# Altium PCB UltraZohm_Analog_ADS5272.PcbDoc (part 4 of 4) (continued)
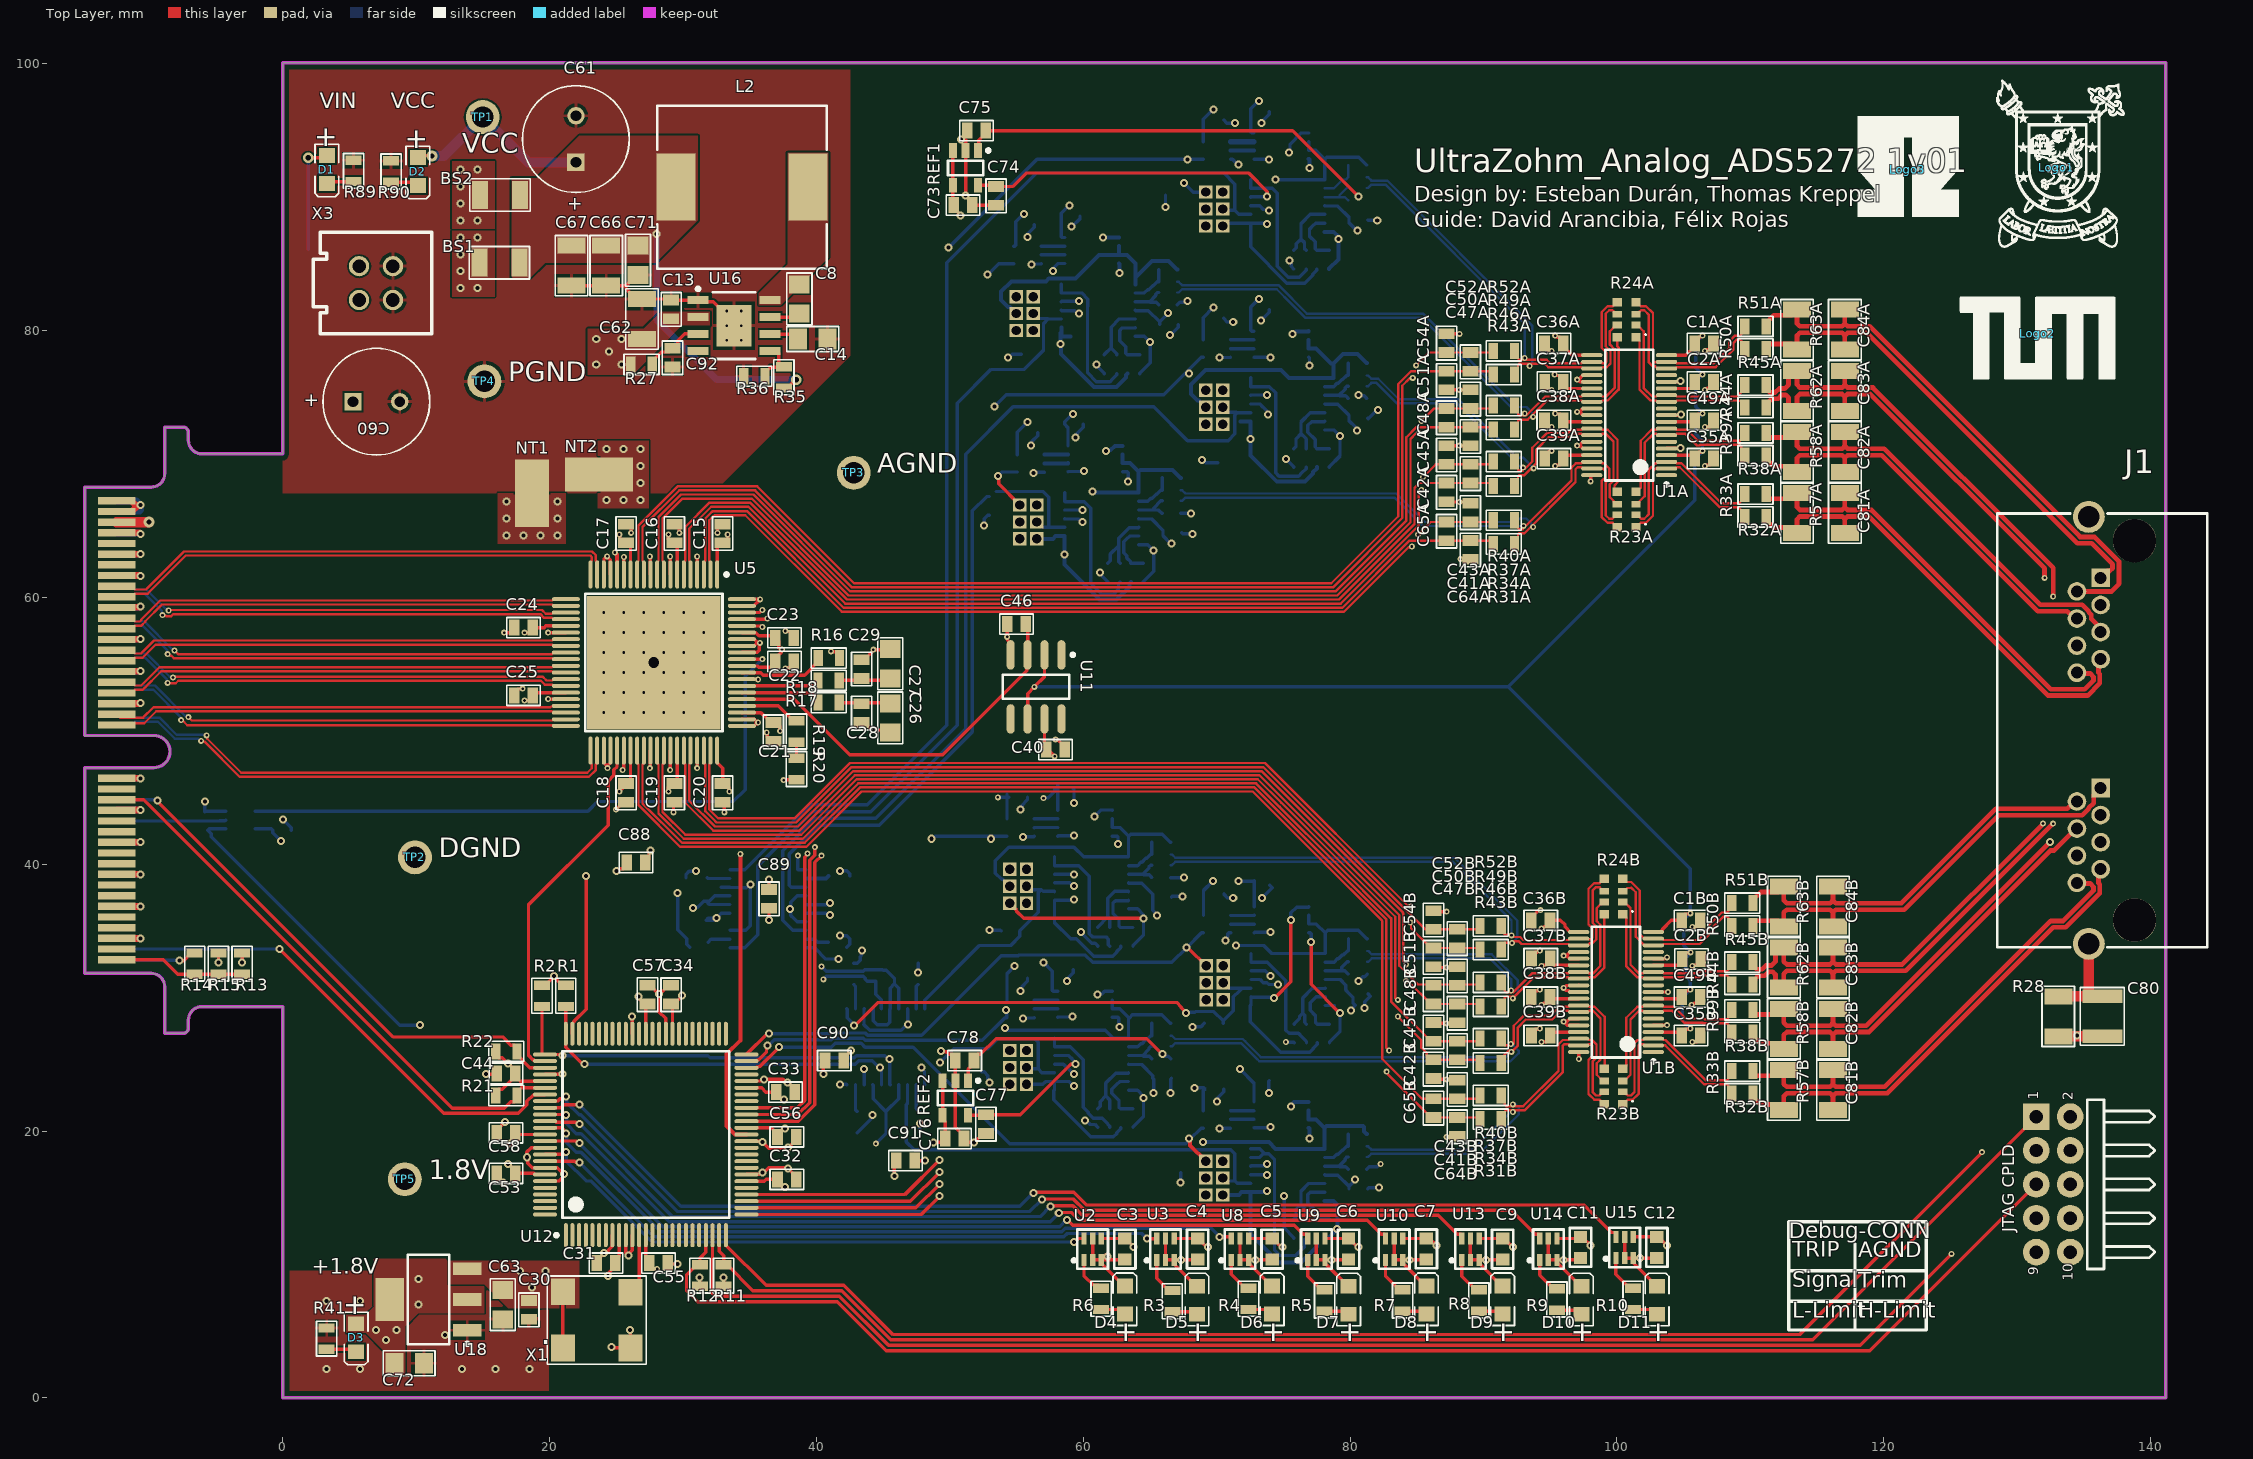
[diagram p0: Top Layer view]
## Nets (pads, with @x,y where several pads share a name; then routed paths per layer and width w, separated by ;. In a path a pad name is that pad's centre, name@x,y a point inside that pad or via, vN(x,y) a via of type N, cw(c..) or ccw(c..) an arc to the next point about the centre after c; other vN are vias at no path point) (continued)
TD_P1: R24A.5 R25A.3 R52A.2 U1A.21 | length 31.8
  Top Layer w0.178: R52A.2@92.329,78.486 92.59,78.225 92.59,77.917 92.694,77.813 94.736,77.813 94.985,77.564 97.344,77.564 97.442,77.662 U1A.21@98.125,77.662 98.808,77.662 98.906,77.564 99.121,77.564 99.225,77.669 99.225,78.348 98.869,78.704 98.869,81.399 99.302,81.832 99.705,81.832 100.015,82.142 R24A.5@100.045,82.142
  Bottom Layer w0.178: R25A.3@81.258,90.696 81.358,90.696 81.606,90.943 82.666,90.943 93.091,80.518 v2(93.091,77.949)
TD_P2: R24A.7 R25B.3 R46A.2 U1A.26 | length 44.1
  Top Layer w0.178: R46A.2@92.329,74.384 92.59,74.123 92.59,73.742 92.694,73.638 v2@93.091,73.638 ; v2@93.222,73.656 94.63,75.064 97.344,75.064 97.442,75.162 U1A.26@98.125,75.162 98.808,75.162 98.906,75.064 99.192,75.064 99.834,75.707 99.834,78.601 99.479,78.956 99.479,79.951 99.945,80.417 R24A.7@100.045,80.417
  Bottom Layer w0.178: R25B.3@67.059,82.857 67.159,82.857 67.407,83.105 74.502,83.105 75.565,82.042 75.766,81.841 76.632,80.975 85.357,80.975 92.642,73.69 92.687,73.735 93.039,73.735 v2(93.091,73.787)
TD_P3: R23A.5 R25C.3 R40A.2 U1A.31 | length 28.7
  Top Layer w0.178: R40A.2@92.329,70.173 92.59,69.912 92.59,69.58 92.694,69.475 92.946,69.475 ; v2@93.142,69.672 93.666,70.196 93.666,71.219 94.777,72.33 96.338,72.33 96.572,72.564 97.344,72.564 97.442,72.662 U1A.31@98.125,72.662 98.808,72.662 98.906,72.564 99.318,72.564 100.055,71.827 100.055,68.632 99.824,68.401 99.824,68.149 R23A.5@100.055,67.918
  Bottom Layer w0.178: R25C.3@81.258,75.837 81.358,75.837 81.606,76.084 81.99,76.084 83.525,74.549 88.011,74.549 92.837,69.723 v2(92.964,69.723)
TD_P4: R23A.7 R25D.3 R34A.2 U1A.36 | length 41.6
  Top Layer w0.178: R34A.2@92.329,65.786 92.59,65.525 92.59,65.217 92.694,65.113 92.946,65.113 ; v2@93.101,65.268 96.603,68.77 96.603,69.735 96.932,70.064 97.344,70.064 97.442,70.162 U1A.36@98.125,70.162 98.808,70.162 98.906,70.064 99.023,70.064 99.194,69.893 99.446,69.641 99.446,68.884 99.164,68.603 99.164,66.167 99.428,65.904 99.679,65.904 99.784,66.008 99.784,66.032 99.945,66.193 R23A.7@100.045,66.193
  Bottom Layer w0.178: R25D.3@67.313,67.236 67.413,67.236 67.661,67.484 83.342,67.484 85.472,65.354 92.995,65.354 v2(93.005,65.364)
TD_P5: R24B.5 R25E.3 R52B.2 U1B.21 | length 41
  Top Layer w0.178: R52B.2@91.341,35.242 91.341,34.992 91.602,34.731 v2@92.015,34.731 ; v2@92.202,34.544 92.762,34.544 92.986,34.32 96.357,34.32 96.454,34.418 U1B.21@97.137,34.418 97.161,34.394 97.897,34.394 97.902,34.39 98.049,34.39 98.153,34.494 98.153,35.209 97.971,35.392 97.881,35.481 97.881,38.155 98.314,38.588 98.717,38.588 99.027,38.898 R24B.5@99.057,38.898
  Bottom Layer w0.178: R25E.3@66.551,39.931 66.651,39.931 66.899,40.179 87.71,40.179 92.101,35.788 v2(92.101,34.668)
TD_P6: R24B.7 R25F.3 R46B.2 U1B.26 | length 26.3
  Top Layer w0.178: R46B.2@91.341,31.14 91.602,30.879 91.602,30.498 91.707,30.394 v2@92.075,30.394 ; v2@92.216,30.394 93.642,31.82 96.357,31.82 96.454,31.918 U1B.26@97.137,31.918 97.82,31.918 97.918,31.82 98.204,31.82 98.763,32.379 98.763,35.462 98.491,35.734 98.491,36.707 98.957,37.173 R24B.7@99.057,37.173
  Bottom Layer w0.178: R25F.3@81.283,32.692 81.383,32.692 81.631,32.94 90.504,32.94 92.075,31.369 v2(92.075,30.53)
TD_P7: R23B.5 R25G.3 R40B.2 U1B.31 | length 42
  Top Layer w0.178: R40B.2@91.341,26.929 91.341,26.679 91.602,26.418 v2@91.936,26.418 ; v2@92.278,26.543 92.278,27.889 93.053,28.664 95.034,28.664 95.691,29.32 96.357,29.32 96.454,29.418 U1B.31@97.137,29.418 97.82,29.418 97.918,29.32 98.33,29.32 99.085,28.565 R23B.5@99.085,24.674
  Bottom Layer w0.178: R25G.3@66.551,26.342 66.651,26.342 66.899,26.59 71.835,26.59 73.025,25.4 73.196,25.229 92.031,25.229 92.636,25.834 92.636,26.022 92.275,26.383 92.27,26.383 92.135,26.518 v2(92.061,26.518)
TD_P8: R23B.7 R25H.3 R34B.2 U1B.36 | length 29.7
  Top Layer w0.178: R34B.2@91.341,22.542 91.602,22.281 91.602,21.973 91.707,21.869 92.989,21.869 95.631,24.511 95.631,26.507 95.944,26.82 96.357,26.82 96.454,26.918 U1B.36@97.137,26.918 97.82,26.918 97.918,26.82 98.146,26.82 98.476,26.49 98.476,25.499 98.186,25.21 98.186,22.913 98.44,22.659 98.692,22.659 98.796,22.764 98.796,22.788 98.957,22.949 R23B.7@99.057,22.949
  Bottom Layer w0.178: R25H.3@81.258,18.052 81.358,18.052 81.606,18.299 89.697,18.299 92.648,21.251 92.648,21.779 92.386,22.041 92.238,22.041 v2(92.202,22.005)
TDI_CPLD: "JTAG CPLD.9" U12.23 | length 108.2
  Top Layer w0.254: U12.23@32.21,12.192 32.21,10.462 32.175,10.427 32.175,7.83 32.385,7.62 41.72,7.62 45.403,3.937 114.618,3.937 118.237,3.937 v6(125.095,10.795)
  AGND w0.254: v6(125.095,10.795) 131.318,10.795 131.445,10.922
TDO_CPLD: "JTAG CPLD.3" U12.25 | length 107.6
  Top Layer w0.254: U12.25@33.21,12.192 33.21,11.442 36.223,8.428 42.054,8.428 45.737,4.745 110.346,4.745 113.711,4.745 v6(127.381,18.415)
  AGND w0.254: v6(127.381,18.415) 131.318,18.415 131.445,18.542
  AGND w0.3: 131.347,22.635 131.445,22.733
TMS_CPLD: "JTAG CPLD.5" R12.2 U12.22 | length 113.1
  Top Layer w0.254: U12.22@31.71,12.192 31.71,10.909 31.274,10.473 R12.2@31.274,9.963 31.024,9.963 30.257,9.196 30.257,8.07 31.111,7.216 41.552,7.216 45.235,3.533 118.976,3.533 131.445,16.002
TRIMMER_CENTER1: C85A.1 DebugA.4 POT1.20 U4A.10 | length 84.4
  Bottom Layer w0.254: POT1.20@33.519,39.581 34.628,39.581 39.497,44.45 43.815,44.45 49.784,50.419 49.784,85.09 56.515,91.821 70.536,91.821 71.374,90.983 71.374,89.027 ; DebugA.4@70.46,89.119 70.552,89.027 71.374,89.027 ; U4A.10@72.555,88.713 72.532,88.736 71.665,88.736 71.374,89.027
TRIMMER_Center2: C85B.1 DebugB.4 POT1.11 U4B.10 | length 64
  Bottom Layer w0.254: POT1.11@33.519,33.731 34.62,33.731 35.606,34.717 35.606,39.868 39.68,43.942 44.069,43.942 50.546,50.419 50.546,74.549 53.086,77.089 55.585,77.089 57.023,78.527 57.023,80.518 57.379,80.874 ; DebugB.4@56.261,81.28 56.634,80.907 57.347,80.907 57.379,80.874 ; U4B.10@58.356,80.874 57.379,80.874
TRIMMER_CENTER3: C85C.1 DebugC.4 POT1.8 U4C.10 | length 72.2
  Bottom Layer w0.254: POT1.8@39.219,35.031 39.196,35.054 38.225,35.054 37.465,35.814 37.465,41.021 39.878,43.434 44.45,43.434 51.181,50.165 51.181,70.739 54.737,74.295 65.278,74.295 67.818,71.755 70.866,71.755 71.374,72.263 71.374,73.66 71.545,73.831 ; DebugC.4@70.46,74.26 70.833,73.887 71.489,73.887 71.545,73.831 ; U4C.10@72.555,73.854 72.532,73.831 71.545,73.831
TRIMMER_Center4: C85D.1 DebugD.4 POT1.3 U4D.10 | length 48.1
  Bottom Layer w0.254: POT1.3@39.219,38.281 38.122,38.281 37.973,38.43 37.973,40.767 40.132,42.926 44.704,42.926 51.689,49.911 51.689,66.494 52.759,67.564 C85D.1@52.959,67.564 ; C85D.1@53.467,67.945 56.962,67.945 57.404,67.503 57.404,65.253 ; DebugD.4@56.515,65.659 56.921,65.253 57.404,65.253 ; U4D.10@58.61,65.253 57.404,65.253
TRIMMER_CENTER5: C85E.1 DebugE.4 POT2.20 U4E.10 | length 16.2
  Bottom Layer w0.254: POT2.20@48.127,29.165 48.127,29.815 52.222,33.909 54.559,33.909 55.248,34.598 55.248,34.798 C85E.1@55.248,34.998 56.634,36.384 56.634,37.871 56.863,38.1 ; DebugE.4@55.753,38.354 56.007,38.1 56.863,38.1 ; U4E.10@57.848,37.948 57.825,37.971 56.991,37.971 56.863,38.1
TRIMMER_Center6: C85F.1 DebugF.4 POT2.11 U4F.10 | length 36.1
  Top Layer w0.254: v1(42.799,27.903) 42.889,27.903 44.623,29.637 67.01,29.637 67.363,29.284 67.363,29.251 67.691,28.923 v1(67.691,28.829)
  Bottom Layer w0.254: POT2.11@42.277,29.165 42.3,29.142 42.3,28.492 42.523,28.269 42.523,28.259 42.799,27.984 v1(42.799,27.903) ; v1(67.691,28.829) 67.754,28.892 68.372,28.892 68.436,28.956 69.796,28.956 C85F.1@70.485,28.267 ; C85F.1@70.485,28.067 C85F.1@70.485,28.267 ; DebugF.4@70.485,31.115 70.891,30.709 U4F.10@71.905,30.709 ; U4F.10@72.58,30.709 U4F.10@71.905,30.709 ; C85F.1@70.485,28.267 71.239,29.021 71.239,30.053 71.681,30.494 71.69,30.494 U4F.10@71.905,30.709
TRIMMER_CENTER7: C85G.1 DebugG.4 POT2.8 U4G.10 | length 20
  Signal 1 w0.254: v1(43.561,24.638) 44.069,24.13 48.26,24.13 v1(49.276,25.146)
  Bottom Layer w0.254: v1(43.561,24.638) 43.577,24.622 POT2.8@43.577,23.465 ; v1(49.276,25.146) 50.292,26.162 52.832,26.162 53.594,26.924 56.358,26.924 56.622,26.66 56.622,24.658 ; DebugG.4@55.753,24.765 55.86,24.658 56.622,24.658 ; U4G.10@57.848,24.359 57.825,24.382 56.898,24.382 56.622,24.658
TRIMMER_Center8: C85H.1 DebugH.4 POT2.3 U4H.10 | length 33.6
  Bottom Layer w0.254: POT2.3@46.827,23.465 46.827,22.062 46.736,21.971 46.736,19.177 47.321,18.592 71.07,18.592 71.374,18.288 71.374,16.256 ; DebugH.4@70.46,16.475 70.679,16.256 71.374,16.256 ; U4H.10@72.555,16.069 72.532,16.092 71.538,16.092 71.374,16.256
TRIMMER_SERIE1: POT1.19 R56.2 | length 1.7
  Bottom Layer w0.254: R56.2@31.826,38.989 31.884,38.931 POT1.19@33.519,38.931
TRIMMER_SERIE2: POT1.12 R73.2 | length 1.7
  Bottom Layer w0.254: R73.2@31.877,34.163 32.095,34.381 POT1.12@33.519,34.381
TRIMMER_SERIE3: POT1.9 R74.2 | length 1.8
  Bottom Layer w0.254: POT1.9@39.219,34.381 39.869,34.381 40.087,34.163 R74.2@40.894,34.163
TRIMMER_SERIE4: POT1.2 R75.2 | length 1.8
  Bottom Layer w0.3: POT1.2@39.219,38.931 40.709,38.931 R75.2@40.894,39.116
TRIMMER_SERIE5: POT2.19 R80.2 | length 1.9
  Bottom Layer w0.254: POT2.19@47.477,29.165 47.477,30.84 R80.2@47.625,30.988
TRIMMER_SERIE6: POT2.12 R81.2 | length 1.9
  Bottom Layer w0.254: R81.2@42.799,30.988 42.927,30.86 POT2.12@42.927,29.165
TRIMMER_SERIE7: POT2.9 R82.2 | length 2.1
  Bottom Layer w0.254: POT2.9@42.927,23.465 42.927,21.589 R82.2@43.053,21.463
TRIMMER_SERIE8: POT2.2 R83.2 | length 2.1
  Bottom Layer w0.254: POT2.2@47.477,23.465 47.477,21.686 47.7,21.463 R83.2@47.752,21.463
TRIP1: DebugA.1 U6A.4 U12.29 | length 109.8
  Top Layer w0.254: U12.29@34.76,15.242 34.761,15.24 46.641,15.24 v1(49.234,17.833)
  Signal 1 w0.254: v1(49.234,17.833) 49.234,17.865 49.911,18.542 v1(49.911,86.233) ; v1(67.564,91.059) 67.564,92.489 67.818,92.743 v1(67.818,92.837)
  Bottom Layer w0.254: v1(49.911,86.233) 56.537,92.859 U6A.4@68.992,92.859 ; v1(67.564,91.059) 68.234,90.389 DebugA.1@69.19,90.389
TRIP2: DebugB.1 U6B.4 U12.28 | length 89.3
  Top Layer w0.254: U12.28@34.76,14.742 47.049,14.742 v1(49.234,16.926)
  Signal 1 w0.254: v1(49.234,16.926) 49.234,16.976 50.292,18.034 50.292,81.567 52.832,84.107 v1(52.832,84.201) 52.898,84.135 53.406,84.135 DebugB.1@54.991,82.55
  Bottom Layer w0.254: v1(52.832,84.201) 53.651,85.02 U6B.4@54.793,85.02
TRIP3: DebugC.1 U6C.4 U12.27 | length 94.1
  Top Layer w0.254: U12.27@34.76,14.242 47.456,14.242 v1(49.234,16.02)
  Signal 1 w0.254: v1(49.234,16.02) 50.673,17.459 50.673,71.628 v1(53.34,74.295) ; v1(67.945,76.789) 67.945,76.775 DebugC.1@69.19,75.53
  Bottom Layer w0.254: v1(53.34,74.295) 54.229,75.184 66.026,75.184 68.842,78 U6C.4@68.992,78
TRIP4: DebugD.1 U6D.4 U12.26 | length 75.2
  Top Layer w0.254: U12.26@34.76,13.742 47.863,13.742 v1(49.234,15.113) ; v1(53.594,69.088) 53.66,69.022 53.66,68.514 DebugD.1@55.245,66.929
  Signal 1 w0.254: v1(49.234,15.113) 51.054,16.933 51.054,66.454 53.594,68.994 v1(53.594,69.088)
  Bottom Layer w0.254: v1(53.594,69.088) 53.905,69.399 U6D.4@55.047,69.399
TRIP5: DebugE.1 U6E.4 U12.74 | length 47.9
  Top Layer w0.254: U12.74@21.71,27.292 21.71,28.054 21.806,28.15 21.806,28.209 22.733,29.136 v1(22.733,39.116)
  Signal 1 w0.254: v1(22.733,39.116) 23.668,40.051 44.496,40.051 46.355,41.91 v1(48.641,41.91) ; v1(53.086,41.91) 53.086,41.021 DebugE.1@54.483,39.624
  Bottom Layer w0.254: v1(48.641,41.91) 48.735,41.91 48.919,42.094 U6E.4@54.285,42.094
TRIP6: DebugF.1 U6F.4 U12.50 | length 40.7
  Top Layer w0.254: U12.50@34.76,25.742 36.323,27.305 v1(36.449,27.305) ; v1(67.759,33.747) 67.825,33.681 67.919,33.681 DebugF.1@69.215,32.385
  Bottom Layer w0.254: v1(36.449,27.305) 41.044,27.305 41.088,27.349 43.659,27.349 43.83,27.178 47.879,27.178 53.848,33.147 55.118,33.147 55.164,33.193 60.152,33.193 60.706,32.639 66.651,32.639 v1(67.759,33.747) 68.867,34.855 U6F.4@69.017,34.855
TRIP7: DebugG.1 U6G.4 U12.49 | length 25.5
  Top Layer w0.254: U12.49@34.76,25.242 35.522,25.242 35.618,25.338 35.677,25.338 36.256,25.917 36.256,26.35 v1(36.322,26.416)
  Signal 1 w0.254: v1(54.229,29.083) 54.229,28.575 54.991,27.813 54.991,27.424 54.483,26.916 DebugG.1@54.483,26.035
  Bottom Layer w0.254: v1(36.322,26.416) 36.416,26.416 36.843,26.843 41.12,26.843 41.245,26.968 43.501,26.968 43.672,26.797 52.427,26.797 54.135,28.505 U6G.4@54.184,28.505 ; v1(54.229,29.083) 54.257,29.055 54.257,28.578 U6G.4@54.184,28.505 ; U6G.4@54.285,28.505 U6G.4@54.184,28.505
TRIP8: DebugH.1 U6H.4 U12.48 | length 40.8
  Top Layer w0.254: U12.48@34.76,24.742 35.522,24.742 35.618,24.838 35.76,24.838 v1(37.211,26.289)
  Top Layer w0.3: v1(67.945,19.431) 68.002,19.374 68.002,18.932 DebugH.1@69.19,17.745
  Bottom Layer w0.254: v1(37.211,26.289) 41.105,26.289 41.403,26.587 43.344,26.587 43.642,26.289 47.244,26.289 54.483,19.05 67.677,19.05 68.002,19.374 68.842,20.215 U6H.4@68.992,20.215
UPPER_LIMITA: DebugA.6 R26A.2 U4A.8 U4A.9 U7A.1 | length 20.2
  Signal 1 w0.254: v1(73.787,88.011) 75.438,89.662 v1(75.438,93.345)
  Bottom Layer w0.254: DebugA.6@70.46,87.849 70.674,88.063 U4A.9@72.555,88.063 ; v1(73.787,88.011) 73.758,88.04 72.578,88.04 U4A.9@72.555,88.063 ; v1(75.438,93.345) 75.504,93.411 75.504,93.981 76.343,94.82 U7A.1@76.893,94.82 ; R26A.2@77.51,84.619 77.51,84.519 77.214,84.223 77.214,84.163 76.617,83.566 75.27,83.566 72.555,86.281 U4A.8@72.555,87.413 U4A.9@72.555,88.063
UPPER_LIMITB: DebugB.6 R26B.2 U4B.8 U4B.9 U7B.1 | length 22.5
  Signal 1 w0.3: DebugB.6@56.261,80.01 57.277,80.01 v1(58.293,78.994) 58.293,83.82 v1(61.468,86.995)
  Bottom Layer w0.3: U4B.9@58.356,80.224 58.356,79.899 ; U4B.8@59.031,79.574 U4B.8@58.356,79.574 58.356,79.899 ; v1(61.468,86.995) 61.475,86.988 62.687,86.988 U7B.1@62.694,86.981 ; R26B.2@63.311,76.78 63.211,76.68 63.211,76.488 62.495,75.772 60.817,75.772 58.345,78.244 58.345,78.942 v1(58.293,78.994) 58.293,79.836 58.356,79.899
UPPER_LIMITC: DebugC.6 R26C.2 U4C.8 U4C.9 U7C.1 | length 23
  Signal 1 w0.3: DebugC.6@70.46,72.99 71.568,71.882 73.152,71.882 75.692,74.422 v1(75.692,79.756)
  Bottom Layer w0.3: U4C.9@71.778,73.204 U4C.9@72.555,73.204 U4C.8@72.555,72.554 v1(72.555,71.882) 72.555,70.638 74.509,68.684 76.626,68.684 77.237,69.295 77.237,69.387 77.51,69.66 R26C.2@77.51,69.76 ; v1(75.692,79.756) 75.773,79.756 75.959,79.942 76.874,79.942 U7C.1@76.893,79.961
UPPER_LIMITD: DebugD.6 R26D.2 U4D.8 U4D.9 U7D.1 | length 21.5
  Signal 1 w0.3: v1(58.61,63.205) 61.722,66.317 v1(61.722,70.993)
  Bottom Layer w0.3: DebugD.6@56.515,64.389 57.721,64.389 57.935,64.603 U4D.9@58.61,64.603 U4D.8@58.61,63.953 v1(58.61,63.205) 58.61,62.457 61.221,59.845 62.512,59.845 63.465,60.798 63.465,61.059 R26D.2@63.565,61.159 ; v1(61.722,70.993) 61.779,71.05 62.061,71.05 62.371,71.36 U7D.1@62.948,71.36
UPPER_LIMITE: DebugE.6 R26E.2 U4E.8 U4E.9 U7E.1 | length 21.9
  Signal 1 w0.254: DebugE.6@55.753,37.084 56.007,37.338 v1(59.309,37.338) 60.833,38.862 v1(60.833,43.561)
  Bottom Layer w0.254: DebugE.6@55.753,37.084 DebugE.6@55.967,37.298 ; v1(59.309,37.338) 59.269,37.298 U4E.9@57.848,37.298 U4E.8@57.848,36.648 57.848,35.624 59.055,34.417 59.486,34.417 60.788,33.115 62.223,33.115 62.507,33.399 62.507,33.458 62.803,33.754 R26E.2@62.803,33.854 ; v1(60.833,43.561) 61.341,44.069 62.172,44.069 U7E.1@62.186,44.055
UPPER_LIMITF: DebugF.6 R26F.2 U4F.8 U4F.9 U7F.1 | length 22.7
  Top Layer w0.254: v1(74.295,29.972) 74.362,29.972 75.565,31.175 v1(75.565,35.814)
  Signal 1 w0.254: DebugF.6@70.485,29.845 70.612,29.972 v1(74.295,29.972)
  Bottom Layer w0.254: DebugF.6@70.485,29.845 DebugF.6@70.699,30.059 ; v1(74.295,29.972) 74.231,30.036 72.603,30.036 U4F.9@72.58,30.059 U4F.8@72.58,29.409 72.54,29.409 72.517,29.386 72.517,28.194 74.803,25.908 76.987,25.908 77.239,26.16 77.239,26.219 77.535,26.515 R26F.2@77.535,26.615 ; v1(75.565,35.814) 75.565,36.355 75.998,36.788 76.89,36.788 U7F.1@76.918,36.816
UPPER_LIMITG: DebugG.6 R26G.2 U4G.8 U4G.9 U7G.1 | length 20.5
  Signal 1 w0.254: v1(59.309,23.368) 60.96,25.019 60.96,30.099 v1(61.087,30.226)
  Bottom Layer w0.254: DebugG.6@55.753,23.495 56.959,23.495 57.173,23.709 U4G.9@57.848,23.709 ; v1(59.309,23.368) 58.968,23.709 U4G.9@57.848,23.709 ; v1(61.087,30.226) 61.153,30.292 61.423,30.292 61.597,30.466 U7G.1@62.186,30.466 ; R26G.2@62.803,20.265 62.803,20.165 62.507,19.869 62.507,19.81 62.255,19.558 60.579,19.558 57.785,22.352 57.785,23.036 57.808,23.059 U4G.8@57.848,23.059 U4G.9@57.848,23.709
UPPER_LIMITH: DebugH.6 R26H.2 U4H.8 U4H.9 U7H.1 | length 22.1
  Signal 1 w0.3: v1(73.787,15.494) 75.565,17.272 v1(75.565,21.844)
  Bottom Layer w0.3: DebugH.6@70.46,15.205 71.666,15.205 71.88,15.419 U4H.9@72.555,15.419 ; v1(73.787,15.494) 73.712,15.419 U4H.9@72.555,15.419 ; v1(75.565,21.844) 75.565,21.925 75.819,22.179 76.89,22.179 U7H.1@76.893,22.176 ; R26H.2@77.51,11.975 77.51,11.343 76.327,10.16 74.676,10.16 72.555,12.281 U4H.8@72.555,14.769 U4H.9@72.555,15.419
VCA: C1A.2 C1B.2 C2A.2 C2B.2 C35A.2 C35B.2 C49A.2 C49B.2 U1A.4 U1A.9 U1A.14 U1A.19 U1B.4 U1B.9 U1B.14 U1B.19 U11.2 U11.6 | length 132.7
  Top Layer w0.254: U11.6@55.829,50.894 55.829,52.783 v2(56.34,53.294) 57.099,54.053 U11.2@57.099,55.694 ; U1B.4@102.737,27.418 104.605,27.418 C35B.2@104.864,27.159 104.864,27.359 105.137,27.632 105.405,27.632 105.459,27.686 v2(105.512,27.686) ; U1B.9@102.737,29.918 104.744,29.918 C49B.2@104.864,30.038 104.864,30.238 105.137,30.511 v2@105.337,30.511 ; U1B.14@102.737,32.418 104.627,32.418 104.902,32.693 C2B.2@104.902,32.893 104.902,33.093 105.175,33.366 105.502,33.366 v2(105.537,33.401) ; U1B.19@102.737,34.918 103.375,34.918 103.396,34.939 103.396,35.108 104.083,35.795 C1B.2@104.864,35.795 104.864,35.995 105.137,36.268 v2@105.337,36.268 ; U1A.4@103.725,70.662 105.593,70.662 C35A.2@105.851,70.403 105.851,70.603 106.124,70.876 v2@106.256,70.876 ; U1A.9@103.725,73.162 105.732,73.162 C49A.2@105.851,73.282 105.851,73.482 106.124,73.755 106.394,73.755 v2(106.426,73.787) ; U1A.14@103.725,75.662 105.55,75.662 105.848,75.96 C2A.2@105.848,76.16 105.848,76.36 106.121,76.633 106.298,76.633 106.373,76.708 v2(106.426,76.708) ; U1A.19@103.725,78.162 105.174,78.162 105.851,78.839 C1A.2@105.851,79.039 105.851,79.239 106.124,79.512 v2@106.256,79.512
  Bottom Layer w0.254: v2(56.34,53.294) 91.87,53.294 ; v2(105.512,27.686) 104.902,28.296 104.902,29.997 v2(105.512,30.607) 105.512,31.267 105.156,31.623 105.156,32.967 105.537,33.348 v2(105.537,33.401) 105.029,33.909 105.029,35.839 v2(105.512,36.322) 105.512,39.652 91.87,53.294 ; v2(106.426,79.629) 105.918,79.121 105.918,77.216 v2(106.426,76.708) 105.918,76.2 105.918,74.295 v2(106.426,73.787) 105.918,73.279 105.918,72.263 106.426,71.755 v2(106.426,70.993) 106.426,70.978 105.851,70.403 105.851,67.276 91.87,53.294
VCC: BS1.2 BS2.1 C61.1 C66.1 C67.1 C71.1 D2.1 L2.2 R35.2 TP1.1 | length 34.5
  Top Layer w0.254: D2.1@10.122,92.975 10.279,93.131 11.136,93.131 v5(11.176,93.091) ; R35.2@37.554,75.703 37.804,75.703 38.428,76.327 v5(38.481,76.327)
  Bottom Layer w0.508: v1(28.025,87.25) 28.025,80.814 32.512,76.327 v5(38.481,76.327)
  Bottom Layer w0.762: v5(11.176,93.091) 11.183,93.098 12.072,93.098 TP1.1@14.986,96.012 18.387,92.611 C61.1@21.971,92.611
VCM: C46.1 U5.65 U11.3 | length 29.3
  Top Layer w0.254: U5.65@34.413,52.368 38.337,52.368 42.494,48.211 49.479,48.211 55.768,54.5 55.768,55.633 U11.3@55.829,55.694 55.829,57.866 C46.1@55.702,57.993
VIN: C13.1 C60.1 C62.1 D1.1 R27.2 U16.2 X2.5 X2.6 X3.3 X3.4 | length 13.2
  Top Layer w0.254: v5(1.905,92.964) 3.141,92.964 D1.1@3.302,93.125
  Top Layer w0.762: X2.5@-12.453,65.642 -10.05,65.642 v5(-10.033,65.659)
  Bottom Layer w0.254: 1.905,86.106 v5(1.905,92.964)
  Bottom Layer w0.483: X2.6@-12.453,65.642 -12.444,65.65 -10.042,65.65 v5(-10.033,65.659)
  other v1: 23.495,77.47 25.4,77.47 24.448,78.422 23.495,79.375 25.4,79.375
pads on no net: "JTAG CPLD.6" "JTAG CPLD.7" "JTAG CPLD.8" J1.MH1 J1.MH2 U1A.1 U1A.6 U1A.11 U1A.16 U1B.1 U1B.6 U1B.11 U1B.16 U7A.0 U7B.0 U7C.0 U7D.0 U7E.0 U7F.0 U7G.0 U7H.0 U11.1 U11.5 U11.8 U12.1 U12.2 U12.3 U12.4 U12.5 U12.6 U12.7 U12.14 U12.15 U12.16 U12.17 U12.18 U12.19 U12.20 U12.21 U12.30 U12.33 U12.34 U12.35 U12.36 U12.43 U12.44 U12.47 U12.51 U12.52 U12.53 U12.54 U12.55 U12.56 U12.57 U12.58 U12.61 U12.62 U12.64 U12.66 U12.67 U12.68 U12.69 U12.70 U12.71 U12.72 U12.73 U12.96 U12.97 U12.98 U12.99 U12.100 U16.4 X2.9 X2.10 X2.13 X2.14

## Polygon pours and split planes (outlines as drawn)
PGND on Top Layer "TOP-PGND" (solid, pour order 21): -0.019,100.092 0,100.073 0,67.818 32.258,67.818 42.545,78.105 42.545,100.076
DVCC on Top Layer "TOP-VCC_CLPD" (solid, pour order 22): 12.446,10.287 12.446,8.509 15.113,8.509 16.891,6.731 22.225,6.731 22.225,10.287
GND on Top Layer "TOP-GND_CLPD" (solid, pour order 28): 0,9.525 0,0 19.939,0 19.939,9.525
+1.8V on Top Layer "TOP_1.8V" (solid, pour order 24): 15.113,10.414 15.113,6.35 10.16,6.35 9.171,5.361 9.171,1.688 7.567,1.688 7.567,3.528 6.22,4.875 4.766,4.875 4.766,6.229 6.229,6.229 6.858,6.858 6.82,6.896 6.82,10.376 6.858,10.414
DVCC on Top Layer "TOP_DVCC" (solid, pour order 17): 15.875,87.63 12.7,87.63 12.7,82.55 15.875,82.55
AVCC on Top Layer "TOP_AVCC" (solid, pour order 16): 12.7,92.71 12.7,87.63 15.875,87.63 15.875,92.71
GND on Top Layer "TOP_GND" (solid, pour order 15): 21.209,67.818 16.129,67.818 16.129,64.008 21.209,64.008
AGND on Top Layer "TOP_AGND" (solid, pour order 13): 23.622,66.675 23.622,71.755 27.432,71.755 27.432,66.675
VCC on Top Layer "TOP-VCC" (solid, pour order 10): 17.145,83.947 18.542,83.947 19.685,85.09 27.94,85.09 31.115,88.265 31.115,94.615 22.225,94.615 19.05,91.44 17.145,91.44
VIN on Top Layer "TOP-VIN" (solid, pour order 9): 32.004,81.407 28.321,81.407 27.051,80.137 22.86,80.137 22.86,76.708 26.237,76.708 29.92,80.391 32.004,80.391
SW on Top Layer "TOP-SW" (solid, pour order 3): 35.687,81.915 35.687,82.804 37.846,84.963 37.846,93.345 40.894,93.345 40.894,85.471 37.338,81.915
+1.8V on Signal 1 "L5-1.8V" (solid, pour order 18): 6.603,4.055 8.051,2.607 8.051,2.59 39.955,2.59 40.005,2.54 40.64,3.175 40.64,32.385 40.005,33.02 14.605,33.02 6.613,25.028
PGND on Signal 1 "L5-PGND" (solid, pour order 19): 29.845,96.52 41.275,96.52 41.275,77.47 29.845,77.47
VIN on Bottom Layer "BOT_VIN" (solid, pour order 25): 7.112,83.82 6.985,83.947 6.985,86.868 -0.127,86.868 0,86.741 0,70.79 -2.519,68.271 -13.843,68.271 -13.843,63.754 4.064,63.754 12.7,72.39 28.575,72.39 28.575,80.137 24.892,83.82
PGND on Bottom Layer "BOT-PGND" (solid, pour order 20): 35.814,82.931 31.877,82.931 31.877,77.851 35.814,77.851
DVCC on VCC "VCC-DVCC" (solid, pour order 32): -14.859,31.821 -9.859,31.821 cw(c-9.859,30.821) -8.859,30.821 -8.859,27.321 -7.479,27.321 ccw(c-7.479,27.721) -7.079,27.721 -7.079,28.321 cw(c-6.079,28.321) -6.079,29.321 0,29.321 0,0 141.16,0 141.16,27.721 130.337,27.721 116.332,13.716 50.546,13.716 40.894,23.368 40.894,34.671 38.318,37.247 29.047,37.247 23.876,42.418 23.876,45.593 24.892,46.609 25.908,46.609 27.178,47.879 33.528,47.879 34.671,49.022 34.671,61.341 33.827,62.185 27.127,62.185 26.044,63.268 25.632,63.268 23.876,65.024 23.876,65.913 17.145,72.644 17.145,87.376 16.891,87.63 -0.019,87.63 -0.019,70.771 -6.079,70.771 cw(c-6.079,71.771) -7.079,71.771 -7.079,72.371 ccw(c-7.479,72.371) -7.479,72.771 -8.859,72.771 -8.859,69.271 cw(c-9.859,69.271) -9.859,68.271 -14.859,68.271 -14.859,49.646 -9.659,49.646 cw(c-9.659,48.446) -8.459,48.446 cw(c-9.659,48.446) -9.659,47.246 -14.859,47.246
AVCC on VCC "AVCC" (solid, pour order 1): 25.019,46.355 24.13,45.466 24.13,42.54 29.235,37.435 29.265,37.465 38.735,37.465 41.275,34.925 41.275,23.495 50.8,13.97 116.205,13.97 130.175,27.94 141.16,27.94 141.16,100.073 141.141,100.092 -0.019,100.092 -0.019,87.63 16.891,87.63 17.145,87.376 17.145,73.025 24.13,66.04 24.13,65.151 25.781,63.5 26.289,63.5 27.305,62.484 34.036,62.484 34.925,61.595 34.925,48.895 33.655,47.625 27.318,47.625 26.048,46.355
AGND on AGND "AGND" (solid, pour order 33): 25.019,46.355 24.13,45.466 24.13,42.54 29.235,37.435 29.265,37.465 38.735,37.465 41.275,34.925 41.275,23.495 50.8,13.97 116.205,13.97 130.175,27.94 141.16,27.94 141.16,100.073 141.141,100.092 -0.019,100.092 -0.019,87.63 16.891,87.63 17.145,87.376 17.145,73.025 24.13,66.04 24.13,65.151 25.781,63.5 26.289,63.5 27.305,62.484 34.036,62.484 34.925,61.595 34.925,48.895 33.655,47.625 27.318,47.625 26.048,46.355
GND on GND "DGND" (solid, pour order 34): -14.859,31.821 -9.859,31.821 cw(c-9.859,30.821) -8.859,30.821 -8.859,27.321 -7.479,27.321 ccw(c-7.479,27.721) -7.079,27.721 -7.079,28.321 cw(c-6.079,28.321) -6.079,29.321 0,29.321 0,0 141.16,0 141.16,27.721 130.337,27.721 116.332,13.716 50.546,13.716 40.894,23.368 40.894,34.671 38.318,37.247 29.047,37.247 23.876,42.418 23.876,45.593 24.892,46.609 25.908,46.609 27.178,47.879 33.528,47.879 34.671,49.022 34.671,61.341 33.827,62.185 27.127,62.185 26.044,63.268 25.632,63.268 23.876,65.024 23.876,65.913 17.145,72.644 17.145,87.376 16.891,87.63 -0.019,87.63 -0.019,70.771 -6.079,70.771 cw(c-6.079,71.771) -7.079,71.771 -7.079,72.371 ccw(c-7.479,72.371) -7.479,72.771 -8.859,72.771 -8.859,69.271 cw(c-9.859,69.271) -9.859,68.271 -14.859,68.271 -14.859,49.646 -9.659,49.646 cw(c-9.659,48.446) -8.459,48.446 cw(c-9.659,48.446) -9.659,47.246 -14.859,47.246

## Keep-outs
Keep-Out Layer:
  lines w0.254: 141.141,100.092 -0.019,100.092 -0.019,70.771 -6.079,70.771 cw(c-6.079,71.771) -7.079,71.771 -7.079,72.371 ccw(c-7.479,72.371) -7.479,72.771 -8.859,72.771 -8.859,69.271 cw(c-9.859,69.271) -9.859,68.271 -14.08,68.271 -14.859,68.271 -14.859,49.646 -14.08,49.646 -9.659,49.646 cw(c-9.659,48.446) -9.659,47.246 -14.08,47.246 -14.859,47.246 -14.859,31.821 -14.08,31.821 -9.859,31.821 cw(c-9.859,30.821) -8.859,30.821 -8.859,27.321 -7.479,27.321 ccw(c-7.479,27.721) -7.079,27.721 -7.079,28.321 cw(c-6.079,28.321) -6.079,29.321 -0.019,29.321 0,29.321 0,0 141.16,0 141.16,100.073

## Silkscreen, mask and mechanical layers (free items; w line width, h text height)
Top Overlay:
  lines w0.254: 112.903,7.239 123.19,7.239 ; 112.903,9.525 123.19,9.525 ; 117.856,5.08 117.856,11.557 ; 112.903,5.08 123.19,5.08 123.19,13.208 112.903,13.208 112.903,5.08
  text "UltraZohm_Analog_ADS5272 1v01" at 84.808,91.26 h3
  text "Design by: Esteban Durán, Thomas Kreppel" at 84.832,89.264 h2
  text "Guide: David Arancibia, Félix Rojas" at 84.832,87.329 h2
  text "Debug-CONN" at 112.903,11.557 h2
  text "TRIP" at 113.157,10.154 h2
  text "AGND" at 118.11,10.141 h2
  text "Signal" at 113.157,7.863 h2
  text "Trim" at 118.11,7.856 h2
  text "L-Limit" at 113.157,5.588 h2
  text "H-Limit" at 118.11,5.588 h2
Bottom Overlay:
  lines w0.254: 65.405,49.784 75.692,49.784 ; 65.405,52.07 75.692,52.07 ; 70.358,47.625 70.358,54.102 ; 65.405,47.625 75.692,47.625 75.692,55.753 65.405,55.753 65.405,47.625
  text "Debug-CONN" at 75.692,54.102 h2
  text "TRIP" at 70.104,52.699 h2
  text "AGND" at 75.311,52.686 h2
  text "Signal" at 70.104,50.408 h2
  text "Trim" at 75.311,50.401 h2
  text "L-Limit" at 70.104,48.133 h2
  text "H-Limit" at 75.311,48.133 h2
Mechanical 1:
  lines w0.254: 141.141,100.092 141.16,100.073

## Dimensions
-14.859,68.271 to 141.16,100.073 on Mechanical 1
-0.019,100.092 to 141.141,100.092 on Mechanical 1
141.16,0 to 141.16,100.073 on Mechanical 1

## Text inside footprints (layer, text, board x,y; h text height)
C60: Top Overlay "+" at 2.713,75.176 h1 r180
C61: Top Overlay "+" at 21.471,90.061 h1 r270
D1: Top Overlay "+" at 2.562,95.375 h1.52 r270
D2: Top Overlay "+" at 9.382,95.225 h1.52 r270
D3: Top Overlay "+" at 4.753,7.802 h1.52 r270
D4: Top Overlay "+" at 63.859,4.03 h1.52 r90
D5: Top Overlay "+" at 69.27,4.013 h1.52 r90
D6: Top Overlay "+" at 74.908,4.03 h1.52 r90
D7: Top Overlay "+" at 80.643,4.013 h1.52 r90
D8: Top Overlay "+" at 86.473,4.03 h1.52 r90
D9: Top Overlay "+" at 92.18,4.03 h1.52 r90
D10: Top Overlay "+" at 98.088,4.013 h1.52 r90
D11: Top Overlay "+" at 103.768,4.013 h1.52 r90
"JTAG CPLD": Top Overlay "2" at 134.442,22.317 h1.27 r90; Top Overlay "1" at 131.86,22.354 h1.27 r90; Top Overlay "9" at 131.867,9.178 h1.27 r90; Top Overlay "10" at 134.442,8.792 h1.27 r90